# Altium PCB PCB_Power_Distribution.PcbDoc (part 1 of 3) (continued)
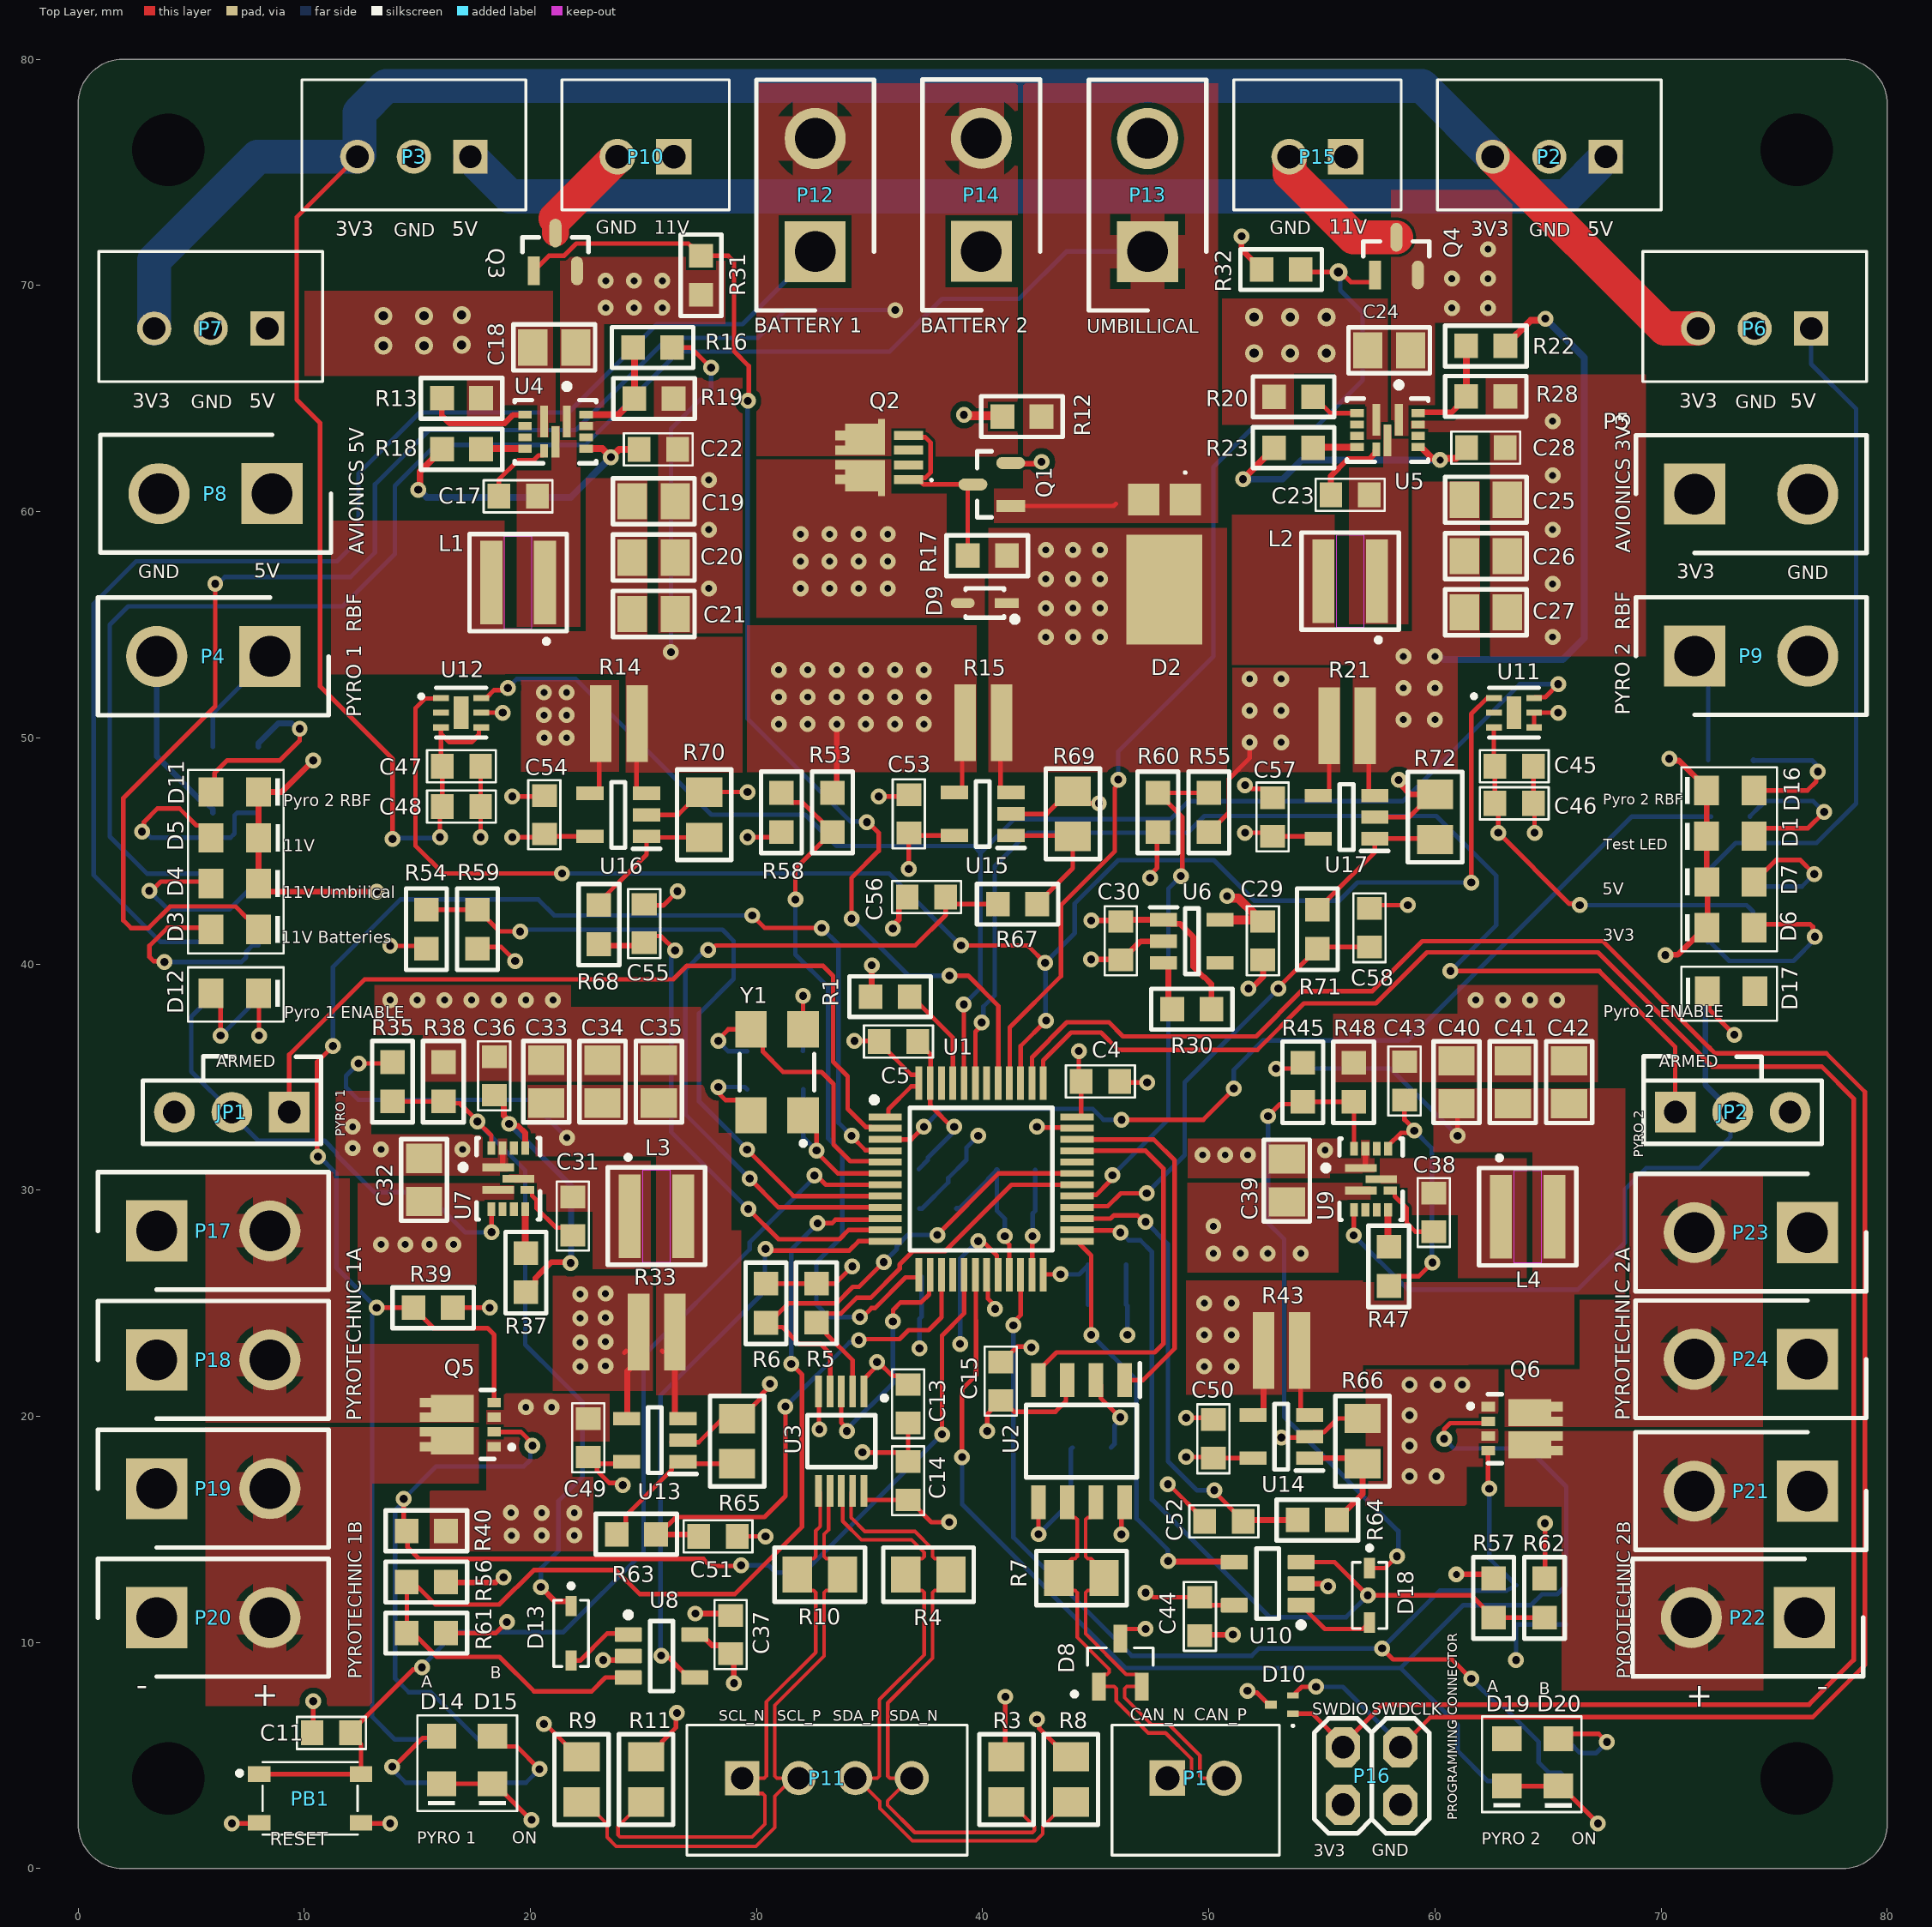
[diagram p0: Top Layer view]
## Classes and differential pairs
component class MainPyroREG: R40
component class DroguePyroREG: R50
component class 2PyroREG: C38 C43 L4 R1 R17 R19 R28 R45 R48 R49 R53 R54 R55 R61 R62 U9
component class "Current Sensing": C49 C50 C51 C52 C53 C54 C55 C56 C57 C58 R63 R64 R65 R66 R67 R68 R69 R70 R71 R72 U13 U14 U15 U16 U17
component class "1PyroR OPAMP": C50 R66 U14
component class "2Pyro OPAMP": R43
component class 1PyroREG: C31 C36 L3 R35 R38 R39 U7
component class "5V OPAMP": C54 R14 R70 U16
component class "3V3 OPAMP": C57 R21 R72 U17
component class "11V OPAMP": C53 R15 R69 U15
component class "Main Pyro": C31 C32 C33 C34 C35 C36 C37 D11 D12 D13 D14 D15 JP1 L3 P17 P18 P19 P20 Q5 R33 R34 R35 R36 R37 R38 R39 R40 R41 R42 U7 U8
component class "1Pyro OPAMP": C37 C44 C49 R33 R65 U13
component class REG3V3: C23 C28 L2 R22 U5
component class "Drogue Pyro": 74.8229mm C38 C39 C40 C41 C42 C43 C44 D16 D17 D18 D19 D20 JP2 L4 P21 P22 P23 P24 Q6 R43 R44 R45 R46 R47 R48 R49 R50 R51 R52 U9 U10
net class FDCAN_STM32: FDCAN1_RX FDCAN1_TX
component class Sensing: C45 C46 C47 C48 R53 R54 R55 R56 R57 R58 R59 R60 R61 R62 U11 U12
component class Connectors: D8 D9 D10 P1 P2 P3 P4 P5 P6 P7 P8 P9 P10 P11 P12 P13 P14 P15 P16 Q3 Q4 R31 R32
component class REG5V: C17 C18 C19 C20 C21 C22 C24 C25 C26 C27 C32 C33 C34 C35 C39 C40 C41 C42 L1 R12 R13 R16 R18 R20 R23 R30 R31 R32 R37 R47 R60 U4
component class MCU: C1 C2 C3 C4 C5 C6 C7 C8 C9 C10 C11 C12 C13 C14 C15 C16 D1 FB1 PB1 R1 R2 R3 R4 R5 R6 R7 R8 R9 R10 R11 U1 U2 U3 Y1
differential pair CAN: +CAN_P -CAN_N

## Components (designator, comment, footprint, x,y, rotation, side; value= is the part's Value field where it differs from the comment)
C1 "Cap ceramic" MY_0603 38.15,24.4 r0 bottom value=100nF
C2 "Cap ceramic" MY_0603 38.15,26.178 r0 bottom value=1uF
C3 "Cap ceramic" MY_0603 45.495,24.933 r180 bottom value=100nF
C4 "Cap ceramic" MY_0603 45.205,34.808 r180 top value=100nF
C5 "Cap ceramic" MY_0603 36.276,36.566 r180 top value=100nF
C6 "Cap ceramic" MY_0603 45.495,26.711 r180 bottom value=4,7uF
C7 "Cap ceramic" MY_0603 38.026,30.93 r0 bottom value=1uF
C8 "25V" MY_0603 41.476,30.889 r180 bottom value=10nF
C9 "Cap ceramic" MY_0603 41.476,29.089 r180 bottom value=1uF
C10 "Cap ceramic" MY_0603 29.589,35.3 r270 bottom value=22pF
C11 "Cap ceramic" MY_0603 11.2,6 r0 top value=100nF
C12 "Cap ceramic" MY_0603 32.067,35.3 r90 bottom value=22pF
C13 "Cap ceramic" MY_0603 36.7,20.554 r90 top value=100nF
C14 "Cap ceramic" MY_0603 36.7,17.15 r270 top value=100nF
C15 "Cap ceramic" MY_0603 40.8,21.55 r270 top value=100nF
C16 "Cap ceramic" MY_0603 44.819,18.614 r180 bottom value=100nF
C17 "Cap ceramic" MY_0603 19.457,60.675 r180 top value=100nF
C18 "22uF" MY_0805 21.057,67.254 r0 top
C19 "22uF" MY_0805 25.457,60.454 r0 top
C20 "22uF" MY_0805 25.457,57.965 r0 top
C21 "22uF" MY_0805 25.457,55.475 r0 top
C22 "Cap ceramic" MY_0603 25.657,62.754 r180 top value=1uF
C23 "Cap ceramic" MY_0603 56.246,60.742 r180 top value=100nF
C24 "22uF" MY_0805 57.972,67.125 r0 top
C25 "22uF" MY_0805 62.246,60.522 r0 top
C26 "22uF" MY_0805 62.246,58.032 r0 top
C27 "22uF" MY_0805 62.246,55.543 r0 top
C28 "Cap ceramic" MY_0603 62.246,62.822 r180 top value=1uF
C29 "Cap ceramic" MY_0603 52.388,41.025 r90 top value=1uF
C30 "Cap ceramic" MY_0603 46.105,41.025 r90 top value=1uF
C31 "Cap ceramic" MY_0603 21.879,28.85 r270 top value=100nF
C32 "22uF" MY_0805 15.3,30.45 r90 top
C33 "22uF" MY_0805 20.7,34.794 r90 top
C34 "22uF" MY_0805 23.189,34.794 r90 top
C35 "22uF" MY_0805 25.679,34.794 r90 top
C36 "Cap ceramic" MY_0603 18.4,35.05 r270 top value=1uF
C37 "Cap ceramic" MY_0603 28.85,10.35 r270 top value=100nF
C38 "Cap ceramic" MY_0603 59.949,29.01 r270 top value=100nF
C39 "22uF" MY_0805 53.449,30.425 r90 top
C40 "22uF" MY_0805 60.949,34.769 r90 top
C41 "22uF" MY_0805 63.438,34.769 r90 top
C42 "22uF" MY_0805 65.928,34.769 r90 top
C43 "Cap ceramic" MY_0603 58.649,34.825 r270 top value=1uF
C44 "Cap ceramic" MY_0603 49.6,11.15 r90 top value=100nF
C45 "Cap ceramic" MY_0603 63.5,48.739 r180 top value=100nF
C46 "Cap ceramic" MY_0603 63.5,47.1 r180 top value=4,7uF
C47 "Cap ceramic" MY_0603 16.952,48.739 r180 top value=100nF
C48 "Cap ceramic" MY_0603 16.952,46.961 r180 top value=4,7uF
C49 "Cap ceramic" MY_0603 22.559,19.048 r270 top value=100nF
C50 "Cap ceramic" MY_0603 50.195,19.004 r270 top value=100nF
C51 "Cap ceramic" MY_0603 28.295,14.688 r180 top value=3.3nF
C52 "Cap ceramic" MY_0603 50.664,15.349 r0 top value=3.3nF
C53 "Cap ceramic" MY_0603 36.732,46.635 r270 top value=100nF
C54 "Cap ceramic" MY_0603 20.617,46.595 r270 top value=100nF
C55 "Cap ceramic" MY_0603 25.032,41.785 r270 top value=3.3nF
C56 "Cap ceramic" MY_0603 37.513,42.952 r0 top value=3.3nF
C57 "Cap ceramic" MY_0603 52.817,46.495 r270 top value=100nF
C58 "Cap ceramic" MY_0603 57.1,41.6 r270 top value=3.3nF
D1 "Test LED_1" WL-SMCW_0805_150080xx75000 73.061,45.646 r0 top
D2 "SBRT20U60SP5-7" SBRT20U60SP5-7-Footprint-1 48.033,57.674 r180 top
D3 "" WL-SMCW_0805_150080xx75000 6.928,41.529 r180 top
D4 "" WL-SMCW_0805_150080xx75000 6.928,43.553 r180 top
D5 "" WL-SMCW_0805_150080xx75000 6.928,45.576 r180 top
D6 "" WL-SMCW_0805_150080xx75000 73.061,41.603 r0 top
D7 "" WL-SMCW_0805_150080xx75000 73.061,43.625 r0 top
D8 "NUP2105LT1G" NUP2105LT1G-Footprint-1 43.295,9.24 r90 top
D9 "PESD15VL1BA,115" FP-SOD323-CA-IPC_C 40.091,55.956 r180 top
D10 "SMAJ15CAE3/TR13" ONSC-SOT-723-3-631AA-01_V 53.226,7.25 r180 top
D11 "150080RS75000" WL-SMCW_0805_150080xx75000 6.928,47.6 r180 top
D12 "150080AS75000" WL-SMCW_0805_150080xx75000 6.928,38.7 r180 top
D13 "BAT54HGW" BAT54HGW-Footprint-1 21.673,10.978 r270 top
D14 "150080RS75000" WL-SMCW_0805_150080xx75000 16.071,4.8 r90 top
D15 "150080RS75000" WL-SMCW_0805_150080xx75000 18.325,4.8 r90 top
D16 "150080RS75000" WL-SMCW_0805_150080xx75000 73.061,47.667 r0 top
D17 "150080AS75000" WL-SMCW_0805_150080xx75000 73.085,38.8 r0 top
D18 "BAT54HGW" BAT54HGW-Footprint-1 56.975,12.655 r270 top
D19 "150080RS75000" WL-SMCW_0805_150080xx75000 63.175,4.7 r90 top
D20 "150080RS75000" WL-SMCW_0805_150080xx75000 65.454,4.7 r90 top
FB1 "120R" WE-CBF_0603_L1.6W0.8H0.8_HC 38.026,29.189 r0 bottom
JP1 "Jumper 3 pin, 2,54mm" "Jumper 3 pin, 2,54mm-Footprint-1" 6.825,33.448 r180 top
JP2 "Jumper 3 pin, 2,54mm" "Jumper 3 pin, 2,54mm-Footprint-1" 73.135,33.448 r0 top
L1 "1.5uH" WE-MAPI_4020 19.457,56.859 r180 top
L2 "1.2uH" WE-MAPI_4020 56.246,56.926 r180 top
L3 "1.5uH" WE-MAPI_4020 25.571,28.85 r0 top
L4 "1.5uH" WE-MAPI_4020 64.096,28.825 r0 top
P1 "Header 2" "JST XH 2" 49.419,3.475 r180 top
P2 "Header 3" "JST XH 3" 65.05,75.707 r0 top
P3 "Header 3" "JST XH 3" 14.845,75.707 r0 top
P4 "XT30U-M-Black" XT30-Footprint-2 6.839,49.762 r180 top
P5 "XT30U-F-Black" XT30-Footprint-1 74.01,61.305 r0 top
P6 "Header 3" "JST XH 3" 74.13,68.112 r0 top
P7 "Header 3" "JST XH 3" 5.87,68.112 r0 top
P8 "XT30U-F-Black" "XT30-F Negro" 5.796,60.772 r180 top
P9 "XT30U-M-Black" XT30-Footprint-2 73.121,57.445 r0 top
P10 "Header 2" "JST XH 2" 25.095,76.215 r0 top
P11 "Header 4" "JST XH" 33.116,3.602 r180 top
P12 "XT30U-M-Yellow" XT30-Footprint-2 28.757,73.136 r90 top
P13 "XT30U-M-Yellow" XT30-Footprint-2 43.457,73.136 r90 top
P14 "XT30U-M-Yellow" XT30-Footprint-2 36.107,73.145 r90 top
P15 "Header 2" "JST XH 2" 54.805,76.215 r0 top
P16 "aun por definir tipo conector" My_2X02 57.2,4.1 r180 top
P17 "XT30U-M-Black" XT30-Footprint-2 5.121,32.033 r0 top
P18 "XT30U-M-Black" XT30-Footprint-2 5.121,26.328 r0 top
P19 "XT30U-M-Black" XT30-Footprint-2 5.121,20.633 r0 top
P20 "XT30U-M-Black" XT30-Footprint-2 5.121,14.928 r0 top
P21 "XT30U-M-Black" XT30-Footprint-2 74.823,12.861 r180 top
P22 "XT30U-M-Black" XT30-Footprint-2 74.695,7.267 r180 top
P23 "XT30U-M-Black" XT30-Footprint-2 74.823,24.292 r180 top
P24 "XT30U-M-Black" XT30-Footprint-2 74.823,18.689 r180 top
PB1 "RESET" "Push Button-Footprint-1" 10.06,2.716 r0 top
Q1 "IRLML6244TRPBF" FP-Micro3-IPC_C 40.4,61.2 r180 top
Q2 "SISF06DN-T1-GE3" SISF06DN-T1-GE3-Footprint-1 35.383,62.39 r180 top
Q3 "IRLML6244TRPBF" FP-Micro3-IPC_C 21.108,71.476 r90 top
Q4 "IRLML6244TRPBF" FP-Micro3-IPC_C 58.29,71.295 r90 top
Q5 "DMT6017LDV-7" DMT6017LDV-7-Footprint-1 18.4,19.636 r90 top
Q6 "DMT6017LDV-7" DMT6017LDV-7-Footprint-1 62.346,19.452 r270 top
R1 "10K" R0603-0.45 35.908,38.554 r180 top
R2 "1K" R0603-0.45 73.061,46.517 r180 bottom
R3 "600R" R0805-0.45 41.046,3.944 r270 top
R4 "120R" R0805-0.45 37.6,13 r0 top
R5 "1K5" R0603-0.45 32.645,25.007 r270 top
R6 "1K5" R0603-0.45 30.418,24.998 r270 top
R7 "120R" R0805-0.45 44.366,12.849 r0 top
R8 "600R" R0805-0.45 43.9,3.944 r90 top
R9 "600R" R0805-0.45 22.261,3.944 r270 top
R10 "120R" R0805-0.45 32.8,13 r0 top
R11 "600R" R0805-0.45 25.115,3.944 r90 top
R12 "100k" R0603-0.45 41.735,64.2 r180 top
R13 "100K" R0603-0.45 16.957,65.009 r180 top
R14 "5m" R0612 23.9,50.644 r180 top
R15 "5m" R0612 40.015,50.684 r180 top
R16 "75K" R0603-0.45 25.4,67.254 r180 top
R17 "10K" R0603-0.45 40.201,58.052 r0 top
R18 "100K" R0603-0.45 16.957,62.754 r0 top
R19 "10K" R0603-0.45 25.465,65 r0 top
R20 "100K" R0603-0.45 53.746,65.076 r0 top
R21 "5m" R0612 56.1,50.544 r180 top
R22 "45K3" R0603-0.45 62.246,67.322 r180 top
R23 "100K" R0603-0.45 53.746,62.822 r0 top
R24 "4K" R0603-0.45 6.965,40.976 r180 bottom
R25 "4K" R0603-0.45 6.965,43.83 r180 bottom
R26 "4K" R0603-0.45 6.965,46.684 r180 bottom
R27 "470" R0603-0.45 73.01,41.275 r0 bottom
R28 "10K" R0603-0.45 62.242,65.094 r0 top
R29 "1K" R0603-0.45 73.061,43.842 r180 bottom
R30 "100K" R0603-0.45 49.247,38 r180 top
R31 "100K" R0603-0.45 27.545,70.445 r270 top
R32 "100K" R0603-0.45 53.193,70.698 r180 top
R33 "5m" R0612 25.571,23.736 r180 top
R34 "4.7K" R0603-0.45 6.965,49.6 r180 bottom
R35 "105K" R0603-0.45 13.9,34.794 r270 top
R36 "1K" R0603-0.45 6.987,38.648 r180 bottom
R37 "100K" R0603-0.45 19.8,26.35 r90 top
R38 "10K" R0603-0.45 16.154,34.794 r90 top
R39 "10K" R0603-0.45 15.7,24.8 r0 top
R40 "10K" R0603-0.45 15.4,14.937 r0 top
R41 "1K" R0603-0.45 15.689,4.8 r90 bottom
R42 "1K" R0603-0.45 18.543,4.8 r90 bottom
R43 "5m" R0612 53.199,22.93 r180 top
R44 "4.7K" R0603-0.45 73.077,49.012 r180 bottom
R45 "105K" R0603-0.45 54.149,34.769 r270 top
R46 "1K" R0603-0.45 72.95,38.8 r180 bottom
R47 "100K" R0603-0.45 57.957,26.628 r90 top
R48 "10K" R0603-0.45 56.403,34.769 r90 top
R49 "10K" R0603-0.45 65.8,11.665 r270 bottom
R50 "10K" R0603-0.45 63.6,11.665 r270 bottom
R51 "1K" R0603-0.45 63.1,4.7 r270 bottom
R52 "1K" R0603-0.45 65.954,4.7 r270 bottom
R53 "10K" R0603-0.45 33.354,46.7 r270 top
R54 "10K" R0603-0.45 15.4,41.535 r90 top
R55 "10K" R0603-0.45 50,46.7 r90 top
R56 "15K" R0603-0.45 15.4,12.674 r0 top
R57 "15K" R0603-0.45 62.586,11.968 r90 top
R58 "2,4K" R0603-0.45 31.1,46.7 r90 top
R59 "15K" R0603-0.45 17.654,41.535 r90 top
R60 "100K" R0603-0.45 47.746,46.7 r270 top
R61 "10K" R0603-0.45 15.4,10.411 r0 top
R62 "10K" R0603-0.45 64.84,11.968 r90 top
R63 "470" R0603-0.45 24.687,14.781 r180 top
R64 "470" R0603-0.45 54.794,15.414 r0 top
R65 "400K" R0805-0.45 29.141,18.9 r270 top
R66 "400K" R0805-0.45 56.795,18.904 r270 top
R67 "470" R0603-0.45 41.54,42.64 r0 top
R68 "470" R0603-0.45 23.029,41.74 r90 top
R69 "400K" R0805-0.45 43.984,46.635 r270 top
R70 "400K" R0805-0.45 27.684,46.595 r270 top
R71 "470" R0603-0.45 54.8,41.535 r90 top
R72 "400K" R0805-0.45 60,46.495 r270 top
U1 "STM32G483CET3" STM32G0C1RET6-Footprint-1 39.926,30.489 r0 top
U2 "MCP2558FD-H/SN" MCP2557FD-H_SN-Footprint-1 46.651,24.869 r270 top
U3 "PCA9615DPZ" PCA9615DPZ-Footprint-1 34,18.9 r270 top
U4 "AP62600SJ-7" FP-V-QFN2030-12_Type_A-MFG 21.111,63.532 r270 top
U5 "AP62600SJ-7" FP-V-QFN2030-12_Type_A-MFG 57.9,63.6 r270 top
U6 "TLV75733PDBVR" SOT95P280X145-5N 49.247,41 r0 top
U7 "AP62600SJ-7" FP-V-QFN2030-12_Type_A-MFG 19.022,30.504 r0 top
U8 "OPA340NA/3K" DBV0005A_M 25.8,9.4 r0 top
U9 "AP62600SJ-7" FP-V-QFN2030-12_Type_A-MFG 57.171,30.48 r0 top
U10 "OPA340NA/3K" DBV0005A_M 52.6,12.6 r180 top
U11 "WSEN-TIDS" WSEN-TIDS-Footprint-1 63.45,51.133 r0 top
U12 "WSEN-TIDS" WSEN-TIDS-Footprint-1 16.9,51.133 r0 top
U13 "INA138" INA138-Footprint-1 25.88,16.151 r180 top
U14 "INA138" INA138-Footprint-1 53.581,16.306 r180 top
U15 "INA138" INA138-Footprint-1 40.381,43.836 r180 top
U16 "INA138" INA138-Footprint-1 24.266,43.797 r180 top
U17 "INA138" INA138-Footprint-1 56.466,43.697 r180 top
Y1 "8 MHz" WE-XTAL_CFPX-104 30.902,35.208 r90 top

## Footprints (in the part's own frame and the unit in brackets; to place one, negate y for a bottom-side part, rotate by r counter-clockwise, add the part's x,y. Pads: shape width x height; smd on the part's side, far side on the other; paste and mask are expansions set on the pad)
BAT54HGW-Footprint-1 [mm]
  rect 0.9x0.5 smd mask+0.05: A(1.778,0.127) C(-0.635,0.127)
  silkscreen extent -1.62,-0.64 2.04,0.89, body extent -0.77,-0.52 1.91,0.78, height 1.15
DBV0005A_M [mm] "SOT23, 5-Leads, Body 3.05x1.75mm, Pitch 0.95mm, IPC Low Density"
  rrect15% 1.2x0.65 smd: 1(-1.475,0.95) 2(-1.475,0) 3(-1.475,-0.95) 4(1.475,-0.95) 5(1.475,0.95)
  silkscreen extent -1.6,-1.55 0.5,1.95, body extent -1.42,-1.46 1.42,1.46, height 1.08
DMT6017LDV-7-Footprint-1 [mm]
  rect 0.42x0.6 smd: 1(-0.975,0) 2(-0.325,0) 3(0.325,0) 4(0.975,0)
  rect 0.42x0.5 smd: 6(0.325,3.05) 6(0.975,3.05) 8(-0.975,3.05) 8(-0.325,3.05)
  rect 1.2x1.9 smd: 6(0.715,1.85) 8(-0.715,1.85)
  silkscreen extent -1.53,-0.87 1.53,0.6, body extent -1.65,-0.13 1.65,3.17, height 0.75
FP-Micro3-IPC_C [mm]
  rect 1.274x0.532 smd paste+0 mask+0: 1(-0.835,0.95)
  rrect100% 1.274x0.532 smd paste+0 mask+0: 2(-0.835,-0.95) 3(0.835,0)
  silkscreen extent 0,-1.46 0.65,1.46, body extent -1.57,-1.56 1.57,1.56, height 0.25
FP-SOD323-CA-IPC_C [mm]
  rect 1.055x0.436 smd paste+0 mask+0: 1(-0.975,0)
  rrect100% 1.055x0.436 smd paste+0 mask+0: 2(0.975,0)
  silkscreen extent -1.45,-0.65 0.85,0.84, body extent -1.6,-0.72 1.6,0.72, height 0.25
FP-V-QFN2030-12_Type_A-MFG [mm]
  rect 1.4x0.35 smd paste+0 mask+0: 1(-0.45,0.5) 2(-0.45,-0.5) 8(0.45,0)
  rect 0.35x0.6 smd paste+0 mask+0: 3(-0.75,-1.35) 4(-0.25,-1.35) 5(0.25,-1.35) 6(0.75,-1.35) 9(0.75,1.35) 10(0.25,1.35) 11(-0.25,1.35) 12(-0.75,1.35)
  rect 0.6x0.35 smd paste+0 mask+0: 7(0.85,-0.5)
  silkscreen extent -2.12,-1.8 1.4,1.8, body extent -1.25,-1.75 1.25,1.75, height 0.25
INA138-Footprint-1 [mm]
  rect 1.2x0.6 smd: 1(-0.869,-1.844) 2(-0.869,-2.794) 3(-0.869,-3.744) 4(1.631,-3.744) 5(1.631,-1.844)
  silkscreen extent -1.47,-4.24 0.68,-1.29, body extent -1.02,-4.24 1.78,-1.34, height 1.2
"JST XH" [mm]
  rect 1.508x1.508 / inner round 1.508 / far side rect 1.508x1.508 hole 1: 1(3.75,-0.398)
  round 1.508 hole 1: 2(1.25,-0.398) 3(-1.25,-0.398) 4(-3.75,-0.398)
  silkscreen extent -6.2,-2.75 6.2,3, body extent -6.2,-2.75 6.2,3, height 7
"JST XH 2" [mm]
  rect 1.575x1.575 / inner round 1.575 / far side rect 1.575x1.575 hole 1.05: 1(1.25,-0.525)
  round 1.575 hole 1.05: 2(-1.25,-0.525)
  silkscreen extent -3.7,-2.88 3.7,2.88, body extent -3.7,-2.88 3.7,2.88, height 7
"JST XH 3" [mm]
  rect 1.508x1.508 / inner round 1.508 / far side rect 1.508x1.508 hole 1: 1(2.5,-0.017)
  round 1.508 hole 1: 2(0,-0.017) 3(-2.5,-0.017)
  silkscreen extent -4.95,-2.37 4.95,3.38, body extent -4.95,-2.37 4.95,3.38, height 7
"Jumper 3 pin, 2,54mm-Footprint-1" [mm]
  rect 1.8x1.8 hole 1: 1(-2.515,0)
  round 1.8 hole 1: 2(0.025,0) 3(2.565,0)
  silkscreen extent -3.91,-1.4 3.96,1.4, body extent -3.81,-1.27 3.81,1.27, height 8.64
MCP2557FD-H_SN-Footprint-1 [mm]
  rect 1.5x0.65 smd: 1(3.269,-0.381) 2(3.269,-1.651) 3(3.269,-2.921) 4(3.269,-4.191) 5(8.669,-4.191) 6(8.669,-2.921) 7(8.669,-1.651) 8(8.669,-0.381)
  silkscreen extent 2.52,-4.74 7.57,0.29, body extent 2.84,-4.7 8.84,0.2, height 1.75
My_2X02 [mil]
  oct 60x70 hole 39.37: 1(-50,-50) 2(-50,50) 3(50,-50) 4(50,50)
  silkscreen extent -100,-100 100,100, body extent -100,-100 100,100, height 335
MY_0603 [mm]
  rect 1x1.1 smd: 1(-0.85,0) 2(0.85,0)
  silkscreen extent -1.52,-0.71 1.52,0.71, body extent -0.8,-0.4 0.8,0.4, height 0.44
MY_0805 [mm]
  rect 1.3x1.6 smd: 1(-0.95,0) 2(0.95,0)
  silkscreen extent -1.8,-1.02 1.8,1.02, body extent -1,-0.62 1,0.63, height 0.59
NUP2105LT1G-Footprint-1 [mm]
  rect 1.23x0.6 smd: 1(-1.187,-1.844) 2(-1.187,-3.744) 3(0.933,-2.794)
  silkscreen extent -1.62,-4.24 0.52,-0.66, body extent -1.33,-4.24 1.07,-1.34, height 0.91
ONSC-SOT-723-3-631AA-01_V [mm] "SOT223, 3-Leads, Body 1.2x0.8mm, Pitch 0.4mm"
  rect 0.52x0.27 smd: 1(-0.49,0.4) 2(-0.49,-0.4)
  rect 0.52x0.36 smd: 3(0.49,0)
  silkscreen extent -0.54,0.89 -0.44,0.98, body extent -0.6,-0.6 0.6,0.6, height 0.55
PCA9615DPZ-Footprint-1 [mm]
  rect 1.4x0.3 smd: 1(-2.2,0.746) 2(-2.2,0.246) 3(-2.2,-0.254) 4(-2.2,-0.754) 5(-2.2,-1.254) 6(2.2,-1.254) 7(2.2,-0.754) 8(2.2,-0.254) 9(2.2,0.246) 10(2.2,0.746)
  silkscreen extent -2.01,-1.75 1.15,1.75, body extent -2.45,-1.75 2.45,1.25, height 1.1
"Push Button-Footprint-1" [mm]
  rect 1x0.7 smd: 1(-2.051,1.46) 1(2.449,1.46) 2(-2.051,-0.69) 2(2.449,-0.69)
  silkscreen extent -3.02,-1.21 2.3,2, body extent -2.1,-1.21 2.5,1.99, height 2.6
R0603-0.45 [mm] "Resistor Chip 0603 Height 0.45mm"
  rect 1.05x1.08 smd: 1(-0.865,0) 2(0.865,0)
  silkscreen extent -1.8,-0.9 1.8,0.9, body extent -0.8,-0.4 0.8,0.4, height 0.46
R0612 [mm]
  rect 0.95x3.4 smd: 1(-0.815,0.016) 2(0.785,0.016)
  body extent -0.82,-1.58 0.78,1.62, height 1
R0805-0.45 [mm] "Resistor Chip 0805 Height 0.45mm"
  rect 1.3x1.6 smd: 1(-1,0) 2(1,0)
  silkscreen extent -2,-1.2 2,1.2, body extent -1,-0.62 1,0.63, height 0.46
SBRT20U60SP5-7-Footprint-1 [mm]
  rect 1.39x1.4 smd: 1(-0.92,-2.856) 1(0.92,-2.856)
  rect 3.36x4.86 smd: 2(0,1.126)
  silkscreen extent -0.97,-4.1 -0.87,-4, body extent -1.98,-3.25 1.98,3.25, height 1.1
SISF06DN-T1-GE3-Footprint-1 [mm]
  rect 1.29x0.4 smd: 1(-1.342,0.975) 2(-1.342,-0.325) 2(-1.342,0.325) 3(-1.342,-0.975)
  rect 0.3x0.2 smd: 4(-0.147,1.605) 5(-0.147,-1.605)
  rect 1.76x1.39 smd: 4(0.583,0.81) 5(0.583,-0.81)
  rect 0.45x0.42 smd: 4(1.688,0.325) 4(1.688,0.975) 5(1.688,-0.975) 5(1.688,-0.325)
  silkscreen extent -2.4,0.95 -2.3,1.05, body extent -1.95,-1.69 1.87,1.69, height 0.9
SOT95P280X145-5N [mm]
  rect 1.2x0.6 smd: 1(-1.25,0.95) 2(-1.25,0) 3(-1.25,-0.95) 4(1.25,-0.95) 5(1.25,0.95)
  silkscreen extent -1.85,-1.45 0.3,1.5, body extent -1.4,-1.45 1.4,1.45, height 1.45
STM32G0C1RET6-Footprint-1 [mm]
  rect 1.475x0.3 smd: 1(-4.238,2.75) 2(-4.238,2.25) 3(-4.238,1.75) 4(-4.238,1.25) 5(-4.238,0.75) 6(-4.238,0.25) 7(-4.238,-0.25) 8(-4.238,-0.75) 9(-4.238,-1.25) 10(-4.238,-1.75) 11(-4.238,-2.25) 12(-4.238,-2.75) 25(4.238,-2.75) 26(4.238,-2.25) 27(4.238,-1.75) 28(4.238,-1.25) 29(4.238,-0.75) 30(4.238,-0.25) 31(4.238,0.25) 32(4.238,0.75) 33(4.238,1.25) 34(4.238,1.75) 35(4.238,2.25) 36(4.238,2.75)
  rect 0.3x1.475 smd: 13(-2.75,-4.238) 14(-2.25,-4.238) 15(-1.75,-4.238) 16(-1.25,-4.238) 17(-0.75,-4.238) 18(-0.25,-4.238) 19(0.25,-4.238) 20(0.75,-4.238) 21(1.25,-4.238) 22(1.75,-4.238) 23(2.25,-4.238) 24(2.75,-4.238) 37(2.75,4.238) 38(2.25,4.238) 39(1.75,4.238) 40(1.25,4.238) 41(0.75,4.238) 42(0.25,4.238) 43(-0.25,4.238) 44(-0.75,4.238) 45(-1.25,4.238) 46(-1.75,4.238) 47(-2.25,4.238) 48(-2.75,4.238)
  silkscreen extent -4.85,-3.15 3.15,3.62, body extent -4.5,-4.5 4.5,4.5, height 1.6
WE-CBF_0603_L1.6W0.8H0.8_HC [mm] "SMD EMI Suppression Ferrite  Bead, body 1.60x0.80mm"
  rect 0.95x0.7 smd: 1(-0.825,0) 2(0.825,0)
  body extent -0.8,-0.4 0.8,0.4, height 0.8
WE-MAPI_4020 [mm] "SMT Shielded Power Inductor, body 4.1x4.1mm"
  rect 0.98x3.7 smd: 1(-1.185,0) 2(1.185,0)
  Top Layer keep-out region: -0.595,2.05 0.595,2.05 0.595,-2.05 -0.595,-2.05
  silkscreen extent -2.15,-2.15 2.15,2.7, body extent -2.05,-2.05 2.05,2.05, height 2.1
WE-XTAL_CFPX-104 [mm] "Quartz Crystal, size CFPX-104, body 5x3.2mm"
  rect 1.6x1.4 smd: 1(-1.9,-1.15) 2(1.9,-1.15) 3(1.9,1.15) 4(-1.9,1.15)
  silkscreen extent -3.24,-1.65 0.8,1.65, body extent -2.5,-1.6 2.5,1.6, height 0.95
WL-SMCW_0805_150080xx75000 [mm] "SMD Mono-color Chip LED, body 2.0x1.25mm"
  rect 1.1x1.3 smd: 1(-1.05,0) 2(1.05,0)
  silkscreen extent -2,-0.6 -1.8,0.6, body extent -1,-0.63 1,0.62, height 0.7
WSEN-TIDS-Footprint-1 [mm]
  rect 0.7x0.27 smd paste-0.02 mask+0.05: 1(-0.85,0.623) 2(-0.85,-0.027) 3(-0.85,-0.677) 4(0.93,-0.677) 5(0.93,-0.027) 6(0.93,0.623)
  rect 0.65x1.45 smd paste-0.4: Z1(0.04,-0.027)
  silkscreen extent -1.78,-1.13 1.14,1.07, body extent -0.96,-1.03 1.04,0.97, height 0.25
"XT30-F Negro" [mm] "No signs"
  round 2.7 hole 1.8: N(2.216,-0.023)
  rect 2.7x2.7 hole 1.8: P(-2.784,-0.023)
  silkscreen extent -5.38,-2.62 4.82,2.58, body extent -5.23,-2.81 4.97,2.81, height 9.43
XT30-Footprint-1 [mm]
  round 2.7 hole 1.8: N(2.47,-0.531)
  rect 2.7x2.7 hole 1.8: P(-2.53,-0.531)
  silkscreen extent -5.13,-3.13 5.07,2.07, body extent -5.23,-3.31 4.97,2.3, height 9.43
XT30-Footprint-2 [mm]
  round 2.7 hole 1.8: N(3.359,-3.833)
  rect 2.7x2.7 hole 1.8: P(-1.641,-3.833)
  silkscreen extent -4.24,-6.43 5.96,-1.23, body extent -4.34,-6.48 5.86,-1.23, height 10.75